# Allegro board 1156197-TDI_VU3P_QSFP28_CXP_V001_1023A-166-20241121_1644_PCB.brd (continued)
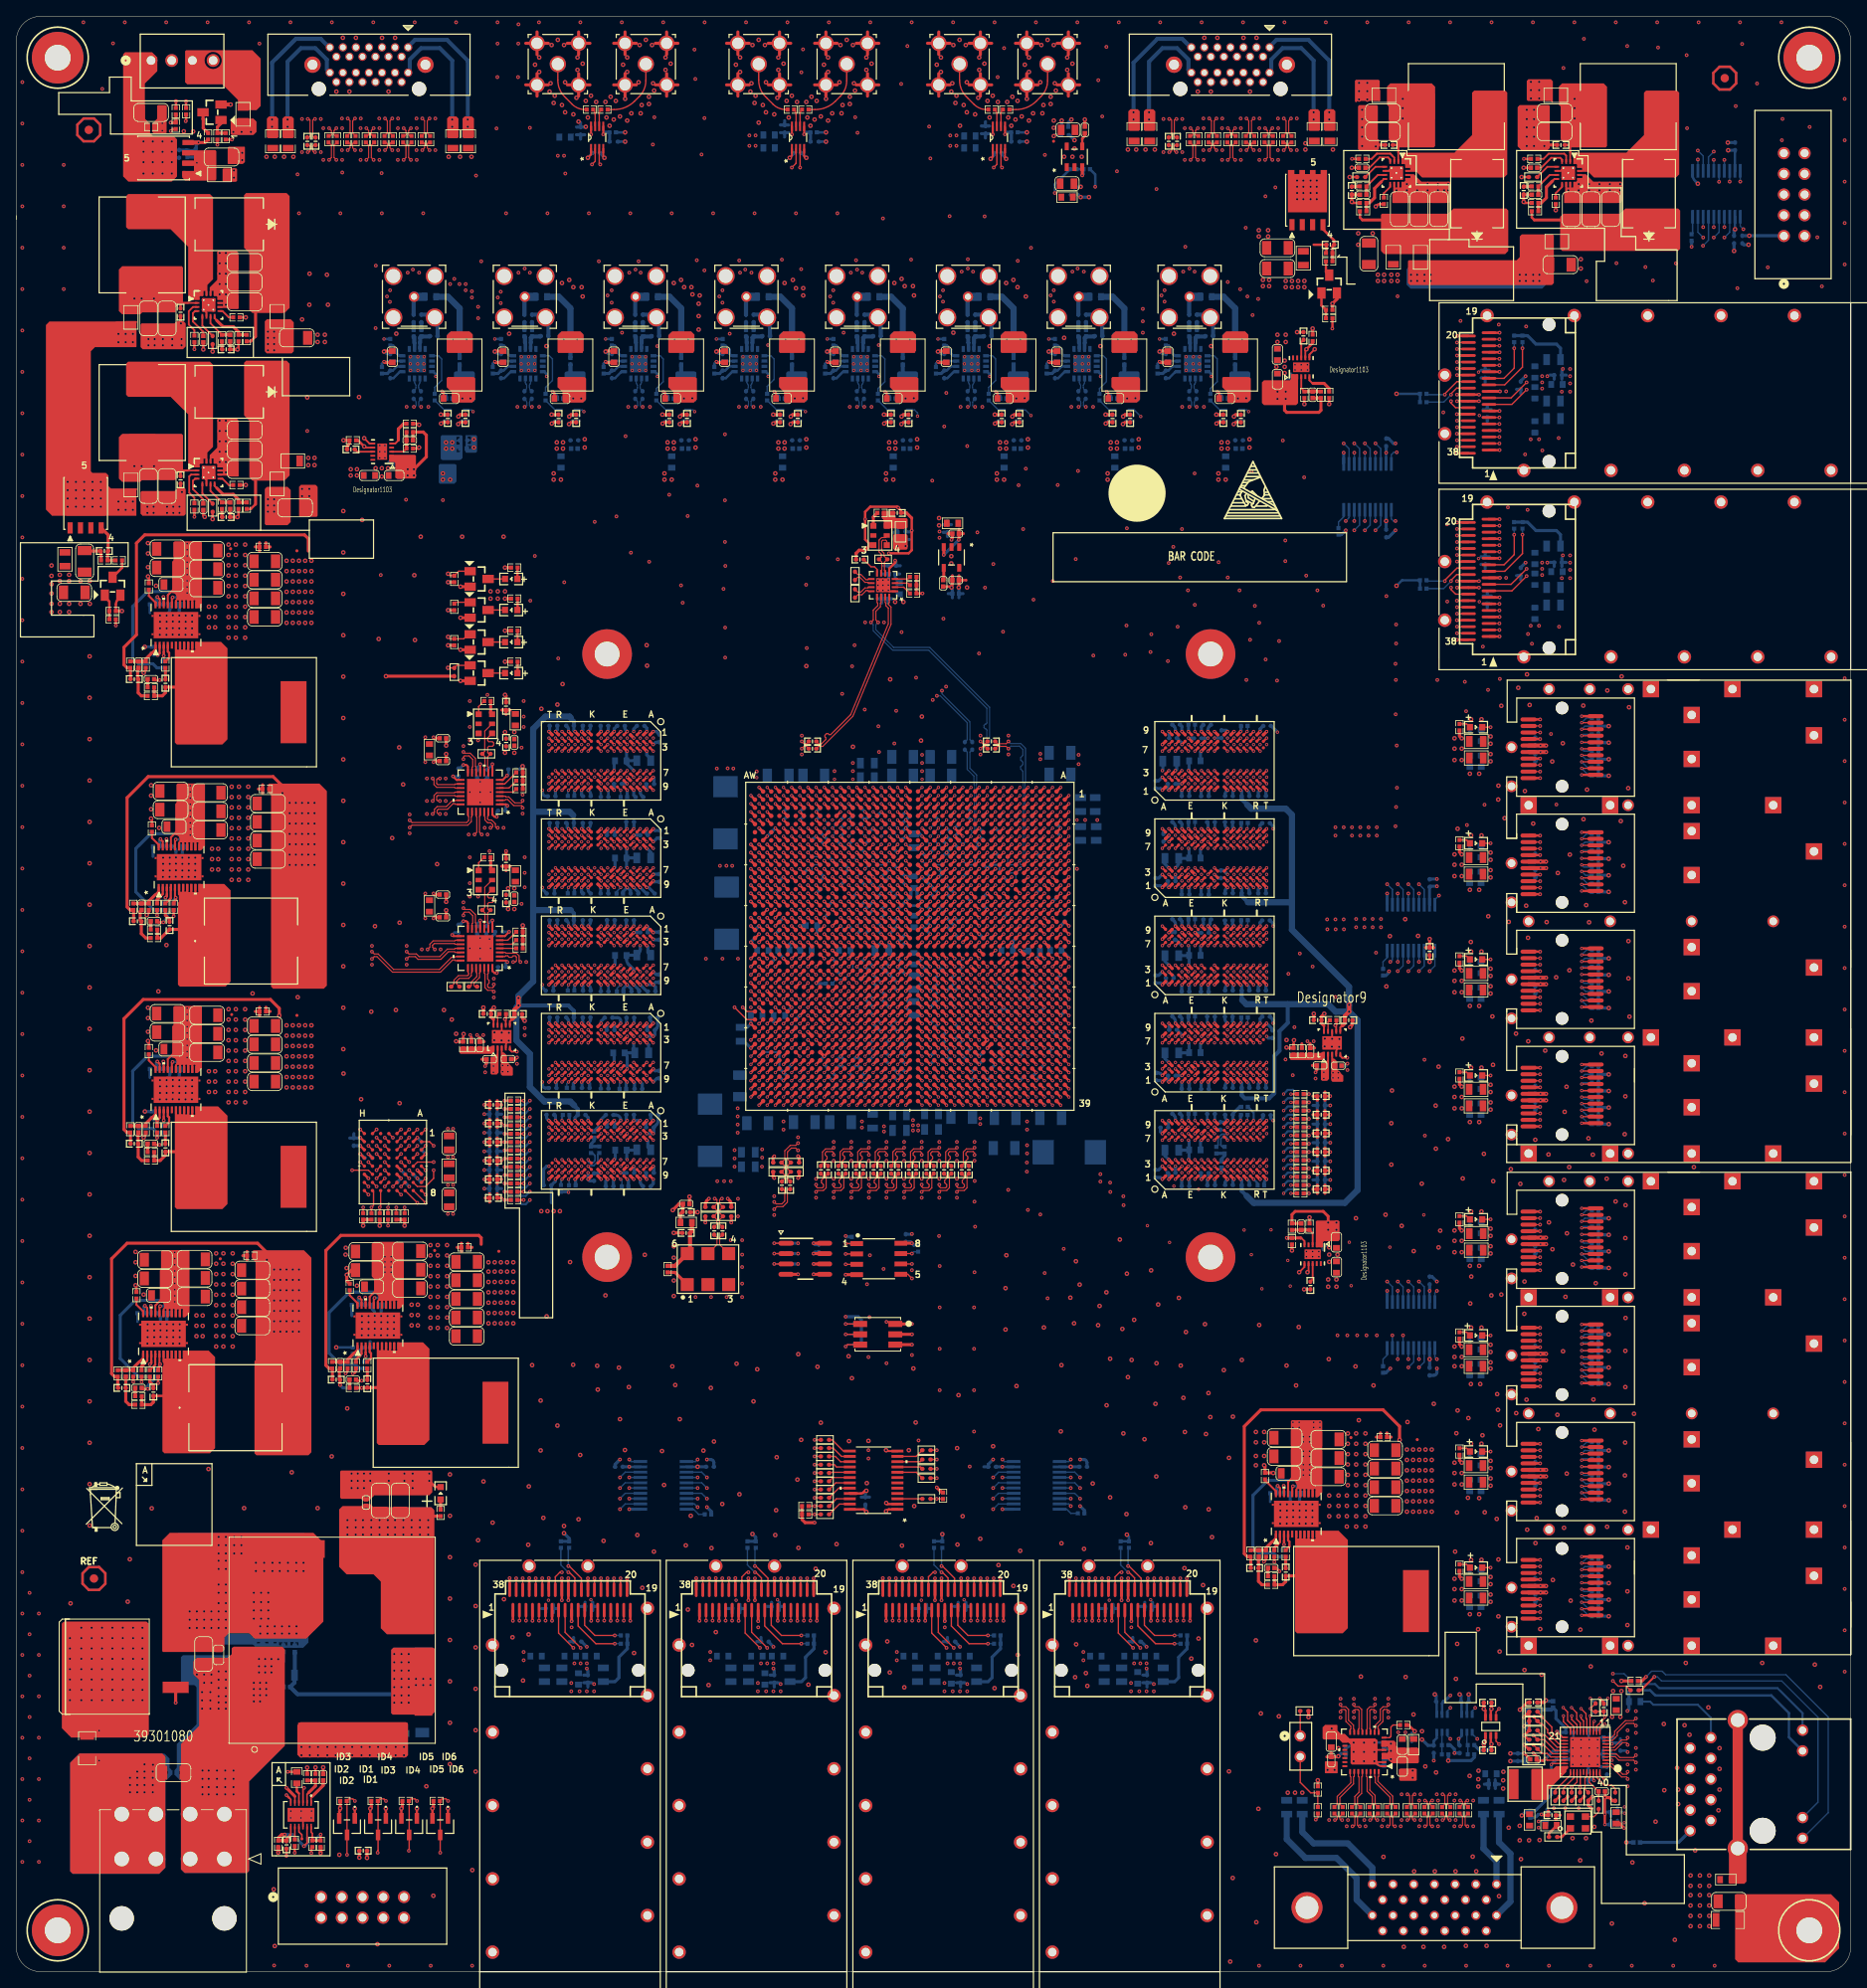
[diagram p0: board, top side]
## Routing (per net, layer and track width the routed paths; a pad name or vN(x,y) marks a point on that pad's centre or on a via; arc(x,y) is an arc through that point)
1V8_ROVP: length 3.1
  TOP w0.254: U45.5 17.56,74.64 v1(17.65,74.55) 17.53,74.42 17.53,74.17 17.4,74.04 R368.1
  BOTTOM w0.305: R366.2 17.06,73.83 17.53,74.3 17.53,74.42 v1(17.65,74.55)
AVDD10: length 9.1
  TOP w0.191: v3(195.72,27.96) U40.8 ; v3(193.52,23.44) 193.43,23.53 U40.38 ; v3(195.72,25.95) U40.3
  BOTTOM w0.305: C646.1 195.57,26.1 v3(195.72,25.95)
  BOTTOM w0.381: 195.57,27.21 C646.1 196.1,26.7 ; v3(193.52,23.44) 193.4,23.56 C645.1 192.81,23.03 ; v3(195.72,27.96) 195.82,28.06 C644.1 196.75,28.59 ; 195.5,28.2 C643.1 ; C643.1 196.03,28.73 ; C643.1 195.5,29.27
  vias: v2(195.73,31.27) v2(196.75,31.27)
AVDD33: length 5.6
  TOP w0.191: v3(194.84,30.38) 194.72,30.38 194.23,29.9 U40.11 ; v3(194.82,23.62) 194.72,23.62 194.23,24.11 U40.40
  BOTTOM w0.381: v3(194.84,30.38) 194.21,29.75 C642.1 ; v3(194.82,23.62) 195.1,23.9 C641.1 ; 196.39,20.12 C640.1 196.92,19.59
  vias: v3(197.26,20.22) v3(197.26,19.46)
DVDD10: length 7.9
  TOP w0.191: U40.21 189.68,28.76 v1(188.98,29.46)
  BOTTOM w0.381: v1(188.98,29.46) 189.1,29.46 189.2,29.37 C650.1 190.06,29.86 188.85,31.07 188.85,32.04 C649.1
  BOTTOM w0.495: C649.1 188.26,32.16 L72.2
DVDD33: length 11
  TOP w0.191: v3(188.28,25.43) 188.4,25.55 U40.29
  BOTTOM w0.381: C648.1 v3(188.28,25.43) 188.28,21.72 186.29,19.74 C647.1 185.22,19.74 v2(184.66,19.18)
DVDDRGMII: length 8.6
  TOP w0.191: v3(187.58,26.16) 187.58,26.14 187.77,25.95 188.49,25.95 U40.28
  TOP w0.305: v3(187.58,26.16) 187.32,25.91 186.64,25.91 C629.1 186.48,26.43 v1(186.08,26.83)
  BOTTOM w0.381: C630.1 188.5,27.08 v3(187.58,26.16) 187.32,25.91 186.69,25.91 L64.2 186.66,26.25 v1(186.08,26.83)
GND: length 2044.5
  TOP w0.229: U57.20 23.32,203.64 U57.6 ; v2(96.9,222.63) 96.86,222.63 arc(96.7,222.7) 96.63,222.86 U64.4 ; v2(60.4,114.27) 60.2,114.08 arc(60.08,113.89) 60.04,113.68 U12.4 ; v2(162.26,113.51) 162.06,113.31 arc(161.94,113.13) 161.89,112.92 U18.4 ; U12.8 v2(59.54,115.27) ; U67.1 167.44,25.22 arc(167.2,25.27) 166.99,25.41 166.68,25.73 ; U65.4 72,222.77 v2(72.14,222.63) ; v2(121.41,222.5) 121.27,222.64 U66.4 ; 166.68,25.73 v2(166.57,25.83) ; 166.68,25.73 U67.2 ; U56.6 23.32,183.07 U56.20 ; U59.6 189.42,221.03 U59.20 ; U58.6 168.34,221.03 U58.20 ; U67.5 166.82,27.22 v2(166.57,26.97) ; U18.8 v2(161.39,114.5)
  TOP w0.254: U61.1 60.06,124.1 v1(60.23,123.93) ; U62.1 60.06,143.28 v1(60.23,143.11) ; v2(106.68,64.01) 106.79,63.9 108.08,63.9 ; U62.14 55.4,147.86 arc(55.32,148.04) 55.14,148.12 v1(54.84,148.12) ; U61.14 55.4,128.69 arc(55.32,128.87) 55.14,128.94 v1(54.84,128.94) ; U1.AH18 102.1,128.36 v1(102.1,128.36) ; U60.1 107.09,169.43 v3(106.96,169.56)
  TOP w0.305: U1.AW2 v3(90.1,144.36) ; U1.K39 v3(120.1,106.36) ; U1.U15 v1(113.1,131.36) ; C319.2 v1(57.41,101.83) ; U1.W13 v1(111.1,133.36) ; J13.13 116.28,43.07 v1(116.28,43.07) ; U1.AE11 v1(105.1,134.36) U1.AD12 ; U1.B39 v3(128.1,106.36) ; U1.AG21 v1(102.1,124.36) ; U1.Y4 v3(109.1,142.36) ; v1(154.94,49.15) 154.53,49.56 C707.1 ; U8.E8 v3(74.93,134.68) ; R443.2 v2(24.08,178.28) ; U1.AW3 v3(90.1,143.36) ; D4.1 v2(41.52,20.03) ; P2.D20 v1(186.91,146.5) ; U1.D2 v3(126.1,144.36) ; J11.13 93.4,43.07 v1(93.4,43.07) ; C826.1 v2(22.94,199.11) ; U1.AB16 v1(107.1,130.36) ; U1.AE25 v1(104.1,120.36) ; U1.W5 v3(111.1,141.36) ; v1(181.93,178.28) 181.93,178.28 J7.19 ; R421.2 v2(157.99,192.41) ; R396.1 15.88,159.81 arc(15.85,159.68) 15.77,159.56 v2(15.62,159.41) ; U1.T12 v1(114.1,134.36) ; U1.D37 v3(126.1,108.36) ; v1(106.68,43.07) 106.68,43.07 J13.1 ; U1.AD6 v3(105.1,140.36) ; U1.K38 v3(120.1,107.36) ; R359.1 14.73,84.15 v2(14.63,84.25) ; U1.T18 v1(114.1,128.36) ; P2.B1 v3(192,118.4) ; U1.P6 v3(116.1,139.36) ; U1.P6 v3(115.1,140.36) ; U1.P6 v3(116.1,140.36) ; R465.1 185.01,217.09 v2(184.89,217.22) ; U1.T14 v1(114.1,132.36) ; U1.C8 v1(127.1,138.36) ; U1.AG37 v3(102.1,108.36) ; P1.A17 v1(186.91,45.74) ; U1.AD38 v3(105.1,107.36) ; C827.2 26.24,199.15 C828.2 ; U1.V20 v1(112.1,126.36) ; U1.F2 v3(124.1,144.36) ; U1.G33 v3(123.1,112.36) ; U1.M18 118.1,127.36 v1(118.1,127.36) ; P1.B10 v3(192,65.19) ; U1.AP1 v3(95.1,145.36) ; J5.26 176.71,195.97 v1(176.71,195.96) ; U1.R29 v1(115.1,116.36) ; U1.AR17 v1(94.1,129.36) ; U1.P34 v3(116.1,111.36) ; C631.2 194.72,33.05 v3(194.21,33.56) ; P2.A20 v1(186.91,103.75) ; U1.AL3 v3(98.1,143.36) ; U1.AK37 v3(99.1,108.36) ; U1.AC21 v1(106.1,124.36) ; U1.N32 v1(117.1,113.36) ; U1.Y12 v1(109.1,134.36) ; C839.2 163.84,218.11 C838.2 ; v2(16.15,114.23) 16.26,114.12 R349.1 ; U1.Y24 v1(109.1,121.36) ; U1.AF38 v3(103.1,107.36) ; U1.N15 v1(117.1,131.36) ; U1.AD16 v1(105.1,130.36) ; U1.A3 v3(129.1,143.36) ; U1.AF37 v3(103.1,108.36) ; U1.M32 v1(118.1,113.36) ; U1.AT8 v1(93.1,138.36) ; U1.A8 v1(129.1,138.36) ; P1.B17 v1(186.91,59.99) ; J15.35 v1(131.57,48.3) ; U1.D39 v3(126.1,106.36) ; U1.N36 v3(117.1,109.36) ; U1.AD3 v3(105.1,143.36) ; J15.13 139.17,43.07 v1(139.17,43.07) ; U1.T30 v1(114.1,115.36) ; U1.G23 122.1,122.36 v1(122.1,122.36) ; U1.V16 v1(112.1,130.36) ; R444.1 27.25,178.66 v2(27.13,178.54) ; U15.B2 v3(141.36,110.8) ; U8.E9 v3(74.93,133.08) ; U8.E1 v3(74.93,140.28) ; U1.V22 v1(112.1,123.36) ; U1.T38 v3(114.1,107.36) ; U14.F1 v3(144.57,133.08) ; v2(106.68,56.52) 106.82,56.65 arc(106.93,56.73) 107.05,56.75 108.08,56.75 ; U1.C15 v1(127.1,131.36) ; P2.D10 v3(192,154.1) ; J9.13 70.51,43.07 v1(70.51,43.07) ; U1.AR33 v3(94.1,112.36) ; U1.C35 v3(127.1,110.36) ; U1.K7 v3(120.1,139.36) ; J15.32 v1(133.97,48.3) ; v1(176.71,175.48) 176.71,175.48 J7.23 ; U1.V39 v3(112.1,106.36) ; U1.AP10 v1(95.1,136.36) ; U1.U13 v1(113.1,133.36) ; U15.D8 v3(142.97,114.8) ; U1.N25 v1(117.1,120.36) ; U1.AB38 v3(107.1,107.36) ; R422.1 v2(159,201.68) ; U1.AV32 v1(91.1,113.36) ; J13.23 118.28,48.28 v1(118.28,48.29) ; J11.23 95.4,48.28 v1(95.4,48.29) ; U1.AT39 v3(93.1,106.36) ; R416.2 v2(158.62,92.58) ; U1.A5 v3(129.1,141.36) ; U1.Y39 v3(109.1,106.36) ; v1(95.1,118.36) 95.1,118.36 U1.AR27 ; J11.38 v1(83.4,48.3) ; J15.20 143.57,48.28 v1(143.57,48.29) ; U1.AF34 v3(103.1,111.36) ; v1(18.03,128.8) 17.42,128.8 C722.1 ; J13.7 v1(111.48,43.07) ; D2.1 v2(49.14,20.03) ; U1.AJ36 v3(100.1,109.36) ; U1.R4 v3(115.1,142.36) ; U1.T6 v3(114.1,140.36) ; U1.AA35 v3(108.1,110.36) ; U1.AA11 v1(108.1,135.36) U1.AA10 ; U1.AG32 v1(102.1,113.36) ; v1(83.8,43.07) J11.1 ; v3(194.84,18.06) v3(194.84,19.33) v3(194.84,21.37) 194.86,21.39 C635.2 ; U1.AE36 v3(104.1,109.36) ; v3(147.32,193.93) 147.53,193.72 C602.1 ; U13.A2 v3(140.56,122.74) ; U1.AB2 v3(107.1,144.36) ; U1.AN36 v3(96.1,109.36) ; U1.W27 v1(111.1,118.36) ; P1.D17 v1(186.91,88.49) ; U1.AT38 v3(93.1,107.36) ; C320.2 v1(57.41,99.54) ; U1.G6 v3(123.1,140.36) ; v2(180.94,27.94) 180.85,28.03 U41.2 ; v2(106.71,57.53) 106.84,57.4 108.08,57.4 ; R595.1 12.21,167.81 arc(12.28,168.14) 12.47,168.42 12.76,168.72 Q9.2 ; C412.2 v1(161.16,107.47) ; J11.19 98.2,43.07 v1(98.19,43.07) ; U1.T22 v1(114.1,123.36) ; U1.AJ4 v3(101.1,142.36) ; U1.AA8 v1(108.1,137.36) ; D1.1 v2(52.95,20.03) ; U1.W17 v1(111.1,129.36) ; U1.G36 v3(123.1,109.36) ; U1.AV35 v3(91.1,110.36) ; U1.E7 v3(125.1,139.36) ; U1.A21 v1(129.1,124.36) ; U15.E8 v3(143.77,115.6) ; U1.T37 v3(114.1,108.36) ; U1.AH34 v3(101.1,111.36) ; U1.T2 v3(114.1,144.36) ; U1.AE27 v1(104.1,118.36) ; U1.AU32 v1(92.1,113.36) ; P2.A14 v1(186.91,108.55) ; U16.E1 v3(143.77,145.01) ; U7.E9 v3(74.93,121.14) ; v1(181.93,166.28) J7.4 ; U1.W29 v1(111.1,116.36) ; U1.Y3 v3(109.1,143.36) ; 103.05,58.7 103.58,58.7 arc(103.77,58.74) 103.93,58.84 104.11,59.03 v2(104.27,59.03) ; U1.AA29 v1(108.1,116.36) ; U1.AA25 v1(108.1,120.36) ; U1.AE17 v1(104.1,129.36) ; U1.H3 v3(122.1,143.36) ; v2(16.54,141.53) 16.64,141.43 R386.1 ; U1.AT37 v3(93.1,108.36) ; v3(133.73,193.93) 133.94,193.72 C603.1 ; v1(176.69,188.76) 176.7,188.76 J5.35 ; U1.L37 v3(119.1,108.36) ; C815.1 22.94,178.74 v2(23.11,178.56) ; U1.AW15 v1(90.1,131.36) ; U1.AG36 v3(102.1,109.36) ; U1.J3 v3(121.1,143.36) ; v1(91.1,118.36) 91.1,118.36 U1.AV28 ; U13.E9 v3(143.77,128.34) ; R470.1 R469.1 R468.1 v1(111.15,169.16) ; U1.AA5 v3(108.1,141.36) ; U1.T34 v3(114.1,111.36) ; P1.B20 v1(186.91,57.59) ; v1(141.17,48.29) 141.17,48.28 J15.23 ; U1.L3 v3(119.1,143.36) ; v1(70.11,48.29) 70.11,48.28 J9.26 ; U1.T26 v1(114.1,119.36) ; U1.M34 v3(118.1,111.36) ; U41.5 180.85,32.17 v2(180.94,32.26) ; U1.B2 v3(128.1,144.36) ; U1.M38 v3(118.1,107.36) ; U1.AH8 v1(101.1,138.36) ; U1.AD24 v1(105.1,121.36) ; U1.AC32 v1(106.1,113.36) ; U1.A2 v3(129.1,144.36) ; U1.R13 v1(115.1,133.36) ; C316.2 v1(57.41,104.11) ; U1.AC17 v1(106.1,129.36) ; U1.AU36 v3(92.1,109.36) ; U1.AN13 v1(96.1,133.36) ; U1.M2 v3(118.1,144.36) ; U1.B38 v3(128.1,107.36) ; U7.F1 v3(74.13,128.34) ; U1.AH39 v3(101.1,106.36) ; U1.AB32 v1(107.1,113.36) ; J11.32 v1(88.2,48.3) ; U1.AE3 v3(104.1,143.36) ; U1.H2 v3(122.1,144.36) ; v1(75.31,43.07) 75.31,43.07 J9.19 ; U1.AK12 v1(99.1,134.36) ; R456.1 167.21,216.95 arc(167.05,216.91) 166.91,216.83 v2(166.75,216.66) ; U1.Y26 v1(109.1,119.36) ; U1.AB18 v1(107.1,128.36) ; U1.M39 v3(118.1,106.36) ; R588.1 v1(24.66,224.23) ; R357.1 v1(14.35,72.39) ; U1.K14 119.1,132.36 v1(119.1,132.36) ; U1.T24 v1(114.1,121.36) ; C851.2 108.52,179.34 v1(108.18,179.68) 108.05,179.81 104.75,179.81 104.11,179.17 v1(104.11,178.28) 104.11,175.79 104.81,175.1 ; U1.E19 v1(125.1,127.36) ; v1(42.37,72.54) 41.8,72.54 C661.1 ; U1.R32 v1(115.1,113.36) ; U1.P32 v1(116.1,113.36) ; U1.AB20 v1(107.1,126.36) ; U1.AB1 v3(107.1,145.36) ; v1(109.08,43.07) J13.4 ; J13.35 v1(108.68,48.3) ; U1.AW37 v3(90.1,108.36) ; R398.1 16.26,171.15 v2(16.15,171.25) ; U13.E1 v3(143.77,121.14) ; U1.A35 v3(129.1,110.36) ; v1(138.77,48.29) 138.77,48.28 J15.26 ; C760.2 v2(157.1,201.23) ; U1.D32 v1(126.1,113.36) ; P1.D14 v1(186.91,90.89) ; J11.7 v1(88.6,43.07) ; R331.2 v1(191.29,21.49) ; U1.AU3 v3(92.1,143.36) ; P1.C20 186.9,71.84 v1(186.91,71.84) ; U1.C32 v1(127.1,113.36) ; U1.AH2 v3(101.1,144.36) ; U1.AE15 v1(104.1,131.36) ; v1(176.69,165.88) 176.7,165.88 J7.35 ; U1.U19 v1(113.1,127.36) ; C555.1 79.58,193.72 v3(79.38,193.93) ; U1.AT1 v3(93.1,145.36) ; U1.W19 v1(111.1,127.36) ; P2.B20 v1(186.91,118) ; U17.B2 v3(141.36,98.86) ; v1(41.27,73.43) 41.35,73.43 arc(41.57,73.52) 41.66,73.74 R346.1 ; J9.23 72.51,48.28 v1(72.51,48.29) ; R369.1 153.29,50.72 arc(153.26,50.58) 153.18,50.47 v1(153.03,50.32) ; U1.AP30 v1(95.1,115.36) ; J15.19 143.97,43.07 v1(143.96,43.07) ; J5.1 181.93,186.77 v1(181.93,186.76) ; U1.AM2 v3(97.1,144.36) ; J13.20 120.68,48.28 v1(120.68,48.29) ; P2.A10 v3(192,111.35) ; U1.AE23 v1(104.1,122.36) U1.AF24 ; U1.L8 v1(119.1,138.36) ; U1.T28 v1(114.1,117.36) ; U1.C3 v3(127.1,143.36) ; U1.AR36 v3(94.1,109.36) ; v1(184.95,27.86) 185.47,27.34 R325.2 ; U1.AD1 v3(105.1,145.36) ; U1.AT3 v3(93.1,143.36) ; U1.V14 v1(112.1,132.36) ; U1.AG4 v3(102.1,142.36) ; v1(181.93,175.88) J7.16 ; P2.C11 v1(186.91,139.45) ; U1.H39 v3(122.1,106.36) ; U1.AB14 v1(107.1,132.36) ; v1(181.93,196.36) 181.93,196.37 J5.13 ; C816.2 26.24,178.57 C817.2 ; U1.J7 v3(121.1,139.36) ; U1.AC36 v3(106.1,109.36) ; U1.Y16 v1(109.1,130.36) ; U13.B2 v3(141.36,122.74) ; U1.U27 v1(113.1,118.36) ; v1(176.71,177.88) 176.71,177.88 J7.20 ; U1.V3 v3(112.1,143.36) ; v1(176.71,173.08) 176.71,173.08 J7.26 ; U1.U32 v1(113.1,113.36) ; v1(40.39,73.43) 40.53,73.58 arc(40.61,73.7) 40.64,73.83 R335.1 ; U11.E1 v3(74.93,116.4) ; C403.2 v1(161.16,96.04) ; P2.A1 v3(192,104.15) ; U11.B2 v3(77.33,114.8) ; U1.AB6 v3(107.1,140.36) ; U1.H1 v3(122.1,145.36) ; C530.1 65.99,193.72 v3(65.79,193.93) ; U1.AM3 v3(97.1,143.36) ; J5.23 176.71,198.37 v1(176.71,198.36) ; U17.E1 v3(143.77,97.26) ; U1.AD2 v3(105.1,144.36) ; U11.E8 v3(74.93,110.8) ; R458.1 163.93,217.09 v2(163.8,217.22) ; U1.Y14 v1(109.1,132.36) ; v1(93.1,124.36) 93.1,124.36 U1.AU21 ; v1(141.57,43.07) J15.16 ; U1.AM6 v3(97.1,140.36) ; v2(49.4,187.07) 49.28,186.94 R415.2 ; R347.1 15.88,102.79 arc(15.85,102.65) 15.77,102.54 v2(15.62,102.39) ; U1.P22 v1(116.1,123.36) ; U1.R11 v1(115.1,135.36) ; DS13.2 51.7,59.48 arc(51.43,59.54) 51.21,59.69 v2(50.65,60.25) ; U1.AA13 v1(108.1,133.36) ; J11.20 97.8,48.28 v1(97.8,48.29) ; U1.V37 v3(112.1,108.36) ; U1.AD32 v1(105.1,113.36) ; U1.B18 v1(128.1,128.36) ; U1.AW38 v3(90.1,107.36) ; U1.AG3 v3(102.1,143.36) ; U1.U23 v1(113.1,122.36) ; U1.AF14 v1(103.1,132.36) ; P1.C14 v1(186.91,76.64) ; R464.2 v2(184.63,220.27) ; U1.T1 v3(114.1,145.36) ; U1.A11 v1(129.1,135.36) ; R457.2 v2(163.55,220.27) ; U1.AM37 v3(97.1,108.36) ; U1.F34 v3(124.1,111.36) ; U1.J34 v3(121.1,111.36) ; v1(176.71,200.76) 176.71,200.77 J5.20 ; U1.C36 v3(127.1,109.36) ; U1.AL4 v3(98.1,142.36) ; U1.AE37 v3(104.1,108.36) ; v1(181.93,163.88) J7.1 ; v1(17.59,158.52) 17.04,158.52 C737.1 ; U9.A2 v3(78.13,102.86) ; P2.C14 v1(186.91,137.05) ; U1.AE31 v1(104.1,114.36) ; v2(27.13,199.11) 27.25,199.24 R451.1 ; P1.B1 v3(192,57.99) ; U8.A2 v3(78.13,138.68) ; U1.K37 v3(120.1,108.36) ; U1.AP37 v3(95.1,108.36) ; U1.AB12 v1(107.1,134.36) ; P2.C1 v3(192,132.65) ; U1.AM1 v3(97.1,145.36) ; U1.AT32 v1(93.1,113.36) ; v1(86.2,43.07) J11.4 ; U1.AC15 v1(106.1,131.36) ; v1(107.04,174.09) 109.45,174.09 109.83,174.47 v1(109.83,176.89) 109.83,178.42 ; U1.J4 v3(121.1,142.36) ; U1.R37 v3(115.1,108.36) ; U1.A36 v3(129.1,109.36) ; U1.H38 v3(122.1,107.36) ; v1(186.91,74.24) 186.9,74.24 P1.C17 ; P1.C1 v3(192,72.24) ; U1.AA15 v1(108.1,131.36) ; U1.R25 v1(115.1,120.36) ; U1.AL34 v3(98.1,111.36) ; U1.AA27 v1(108.1,118.36) ; U1.R27 v1(115.1,118.36) ; U1.M37 v3(118.1,108.36) ; U1.AK38 v3(99.1,107.36) ; U1.AH3 v3(101.1,143.36) ; U1.G3 v3(123.1,143.36) ; U16.A2 v3(140.56,146.62) ; U1.U25 v1(113.1,120.36) ; U14.E9 v3(143.77,140.28) ; P2.B14 v1(186.91,122.8) ; U1.AM16 v1(97.1,130.36) ; J7.13 181.93,173.48 v1(181.93,173.48) ; U1.AD28 v1(105.1,117.36) ; U15.E1 v3(143.77,109.2) ; U1.AE21 v1(104.1,124.36) ; U1.U37 v3(113.1,108.36) ; U1.W25 v1(111.1,120.36) ; U1.T39 v3(114.1,106.36) ; U1.V34 v3(112.1,111.36) ; v1(176.69,168.28) 176.7,168.28 J7.32 ; v1(121.08,43.07) 121.08,43.07 J13.19 ; U1.R19 v1(115.1,127.36) ; U1.AK2 v3(99.1,144.36) ; U16.E8 v3(143.77,151.42) ; U1.C4 v3(127.1,142.36) ; v1(186.91,134.65) 186.9,134.65 P2.C17 ; U1.AR34 v3(94.1,111.36) ; U1.AK1 v3(99.1,145.36) ; U1.AP20 v1(95.1,126.36) ; U1.C5 v3(127.1,141.36) ; U1.AE13 v1(104.1,133.36) ; U10.E8 v3(74.93,145.82) ; U1.AD20 v1(105.1,126.36) ; v1(131.97,43.07) J15.4 ; U1.B35 v3(128.1,110.36) ; U1.P12 v1(116.1,134.36) ; U1.AN34 v3(96.1,111.36) ; J9.20 74.91,48.28 v1(74.91,48.29) ; U1.AR7 v3(94.1,139.36) ; U1.D8 v1(126.1,138.36) ; D3.1 v2(45.33,20.03) ; v3(106.55,193.93) 106.76,193.72 C579.1 ; U1.AC37 v3(106.1,108.36) ; U16.E9 v3(143.77,152.22) ; U1.AB39 v3(107.1,106.36) ; C411.2 v1(161.16,100.61) ; U1.AP38 v3(95.1,107.36) ; J11.26 93,48.28 v1(93,48.29) ; U1.AA32 v1(108.1,113.36) ; P2.A17 v1(186.91,106.15) ; U1.W32 v1(111.1,113.36) ; U1.D7 v3(126.1,139.36) ; v3(52.22,193.98) 52.4,193.79 C531.1 ; U1.AC27 v1(106.1,118.36) ; U1.B1 v3(128.1,145.36) ; U1.AB22 v1(107.1,123.36) ; U1.K3 v3(120.1,143.36) ; U1.AV18 v1(91.1,128.36) ; C848.1 v2(184.89,221.41) ; U1.G37 v3(123.1,108.36) ; U1.B5 v3(128.1,141.36) ; U1.AU37 v3(92.1,108.36) ; U1.AH28 v1(101.1,117.36) ; U1.V32 v1(112.1,113.36) ; U1.U4 v3(113.1,142.36) ; U1.W11 v1(111.1,135.36) ; U1.Y6 v3(109.1,140.36) ; U1.AB37 v3(107.1,108.36) ; U1.AB26 v1(107.1,119.36) ; U1.AR37 v3(94.1,108.36) ; U1.T8 v1(114.1,138.36) ; U1.D33 v3(126.1,112.36) ; U1.A31 v1(129.1,114.36) ; U1.E3 v3(125.1,143.36) ; U1.AA19 v1(108.1,127.36) ; U1.AC3 v3(106.1,143.36) ; C310.2 v1(57.41,106.4) ; U1.AN3 v3(96.1,143.36) ; U1.T32 v1(114.1,113.36) ; U1.Y32 v1(109.1,113.36) ; U1.AD37 v3(105.1,108.36) ; U1.AW4 v3(90.1,142.36) ; U1.L36 v3(119.1,109.36) ; v1(16.13,71.53) 15.51,71.53 C692.1 ; U1.M28 v1(118.1,117.36) ; U1.V26 v1(112.1,119.36) ; v1(129.57,43.07) J15.1 ; U15.E9 v3(143.77,116.4) ; U10.E9 v3(74.93,145.01) ; U1.P2 v3(116.1,144.36) ; U7.A2 v3(78.13,126.74) ; U1.AB34 v3(107.1,111.36) ; U1.AV5 v3(91.1,141.36) ; v1(115.88,48.29) 115.88,48.28 J13.26 ; U8.B2 v3(77.33,138.68) ; U1.AV2 v3(91.1,144.36) ; P2.C10 v3(192,139.85) ; U1.V18 v1(112.1,128.36) ; U1.E9 v1(125.1,137.36) ; U1.AU31 v1(92.1,114.36) ; R450.2 v2(24.08,198.86) ; U17.E8 v3(144.57,103.66) ; J15.38 v1(129.17,48.3) ; U1.L21 v1(118.1,125.36) ; J5.32 176.7,191.16 v1(176.69,191.16) ; U3.H6 v1(43.19,97.37) ; U1.AF32 v1(103.1,113.36) ; U1.AP39 v3(95.1,106.36) ; U10.E1 v3(74.93,152.22) ; U1.U11 v1(112.1,134.36) U1.V12 ; U1.N4 v3(117.1,142.36) ; U1.B34 v3(128.1,111.36) ; U1.P37 v3(116.1,108.36) ; U1.AW25 90.1,121.36 v1(90.1,121.36) ; P2.D11 v1(186.91,153.7) ; U1.V38 v3(112.1,107.36) ; v1(95.8,43.07) J11.16 ; C578.1 120.35,193.72 v3(120.14,193.93) ; U1.M6 v3(118.1,140.36) ; P2.C20 186.9,132.25 v1(186.91,132.25) ; U1.E37 v3(125.1,108.36) ; U1.AM34 v3(97.1,111.36) ; U3.B2 v1(49.19,102.37) ; U1.AU35 v3(92.1,110.36) ; U1.AJ15 v1(100.1,131.36) ; U1.AA3 v3(108.1,143.36) ; U1.Y18 v1(109.1,128.36) ; U17.E9 v3(143.77,104.46) ; U10.B2 v3(77.33,150.62) ; U1.T20 v1(114.1,126.36) ; P2.B10 v3(192,125.6) ; P1.D20 v1(186.91,86.09) ; U1.AN4 v3(96.1,142.36) ; U1.C37 v3(127.1,108.36) ; U1.W35 v3(111.1,110.36) ; U1.W8 v1(111.1,138.36) ; v2(114.71,169.9) 114.6,170.01 C765.1 ; R442.1 v2(28.14,182.47) ; U1.AW36 v3(90.1,109.36) ; U1.AH38 v3(101.1,107.36) ; J9.16 72.91,43.07 v1(72.91,43.07) ; U1.N37 v3(117.1,108.36) ; U1.AT24 v1(93.1,121.36) ; U1.H10 v1(122.1,136.36) ; P2.B17 v1(186.91,120.4) ; v1(123.1,132.36) 123.1,132.36 U1.G13 ; P1.A20 v1(186.91,43.34) ; U15.F1 v3(144.57,109.2) ; U1.AV8 v1(91.1,138.36) ; v1(118.68,43.07) J13.16 ; U1.H37 v3(122.1,108.36) ; U1.U36 v3(113.1,109.36) ; U8.F1 v3(74.13,140.28) ; U1.R31 v1(115.1,114.36) ; U1.AA23 v1(108.1,122.36) ; C677.1 17.04,101.5 v1(17.58,101.5) ; C554.1 93.17,193.72 v3(92.96,193.93) ; U1.AT7 v3(93.1,139.36) ; U1.E34 v3(125.1,111.36) ; U1.L4 v3(119.1,142.36) ; U1.AE29 v1(104.1,116.36) ; U1.A4 v3(129.1,142.36) ; U1.Y36 v3(109.1,109.36) ; U3.H2 v1(42.19,102.37) ; U1.D12 v1(126.1,134.36) ; U1.N3 v3(117.1,143.36) ; P2.B11 v1(186.91,125.2) ; J9.38 v1(60.51,48.3) ; U1.AJ3 v3(100.1,143.36) ; J5.7 v1(181.93,191.57) ; U1.AH6 v3(101.1,140.36) ; U16.B2 v3(141.36,146.62) ; U1.AA37 v3(108.1,108.36) ; U1.P38 v3(116.1,107.36) ; v1(184.94,26.83) 185.68,26.09 C629.2 ; U1.AU8 v1(92.1,138.36) ; U1.E33 v3(125.1,112.36) ; P1.B14 v1(186.91,62.39) ; U1.AT33 v3(93.1,112.36) ; U1.AL36 v3(98.1,109.36) ; U11.A2 v3(78.13,114.8) ; P1.A10 v3(192,50.94) ; U14.H1 146.17,133.08 v3(146.17,133.08) ; U1.W3 v3(111.1,143.36) ; U1.AK39 v3(99.1,106.36) ; U1.AM38 v3(97.1,107.36) ; U1.AH1 v3(101.1,145.36) ; U1.AB28 v1(107.1,117.36) ; P1.A11 v1(186.91,50.54) ; U1.AB15 v1(107.1,131.36) ; U1.AE32 v1(104.1,113.36) ; U1.AA17 v1(108.1,129.36) ; U1.J27 v1(121.1,118.36) ; R463.1 v2(188.82,216.2) ; U1.F37 v3(124.1,108.36) ; U15.A2 v3(140.56,110) ; U1.R15 v1(115.1,131.36) ; U1.M1 v3(118.1,145.36) ; P2.D14 v1(186.91,151.3) ; U1.G34 v3(123.1,111.36) ; U10.F1 v3(74.13,152.22) ; U1.V28 v1(112.1,117.36) ; U1.AF39 v3(103.1,106.36) ; U1.AN23 v1(96.1,122.36) ; U14.E1 v3(143.77,133.08) ; U1.AB24 v1(107.1,121.36) ; J5.38 v1(176.69,186.36) ; C413.2 v1(161.16,102.9) ; U1.AP3 v3(95.1,143.36) ; U1.C25 v1(127.1,120.36) ; U13.F1 v3(144.57,121.14) ; U1.K1 v3(120.1,145.36) ; U1.E4 v3(125.1,142.36) ; U1.J37 v3(121.1,108.36) ; U1.T3 v3(114.1,143.36) ; U1.AT2 v3(93.1,144.36) ; U9.B2 v3(77.33,102.86) ; U1.R8 v1(115.1,138.36) ; J5.16 v1(181.93,198.76) ; U1.AK32 v1(99.1,113.36) ; J9.32 v1(65.31,48.3) ; U1.B8 v1(128.1,138.36) ; U1.AC25 v1(106.1,120.36) ; U1.R21 v1(115.1,124.36) ; U1.P1 v3(116.1,145.36) ; U3.H4 v1(42.19,100.37) ; U1.Y28 v1(109.1,117.36) ; U1.R3 v3(115.1,143.36) ; U1.AP6 v3(95.1,140.36) ; U1.W23 v1(111.1,122.36) ; U1.AG8 v1(102.1,138.36) ; U1.AN37 v3(96.1,108.36) ; U1.AC13 v1(106.1,133.36) ; U1.K24 v1(120.1,121.36) ; U1.W37 v3(111.1,108.36) ; U1.U31 v1(113.1,114.36) ; U1.AL6 v3(98.1,140.36) ; U1.AR6 v3(94.1,140.36) ; U1.F6 v3(124.1,140.36) ; v1(134.37,43.07) 134.37,43.07 J15.7 ; U1.F39 v3(124.1,106.36) ; U1.M3 v3(118.1,143.36) ; J7.7 v1(181.93,168.68) ; U1.D38 v3(126.1,107.36) ; U14.B2 v3(141.36,134.68) ; U1.AP34 v3(95.1,111.36) ; P1.C10 v3(192,79.44) ; U1.AA31 v1(108.1,114.36) ; U1.AV1 v3(91.1,145.36) ; U11.E9 v3(74.93,109.2) ; U1.D3 v3(126.1,143.36) ; U1.AD39 v3(105.1,106.36) ; P2.A11 v1(186.91,110.95) ; U1.AW5 v3(90.1,141.36) ; U1.AN6 v3(96.1,140.36) ; U1.AD18 v1(105.1,128.36) ; U16.D8 v3(142.97,150.62) ; U17.F1 v3(144.57,97.26) ; U7.B2 v3(77.33,126.74) ; U1.W31 v1(111.1,114.36) ; U1.AL9 v1(98.1,137.36) ; C402.2 v1(161.16,105.18) ; U1.U17 v1(113.1,129.36) ; C837.1 v2(163.8,221.41) ; v2(16,129.69) 16.15,129.84 arc(16.23,129.96) 16.26,130.1 R384.1 ; U1.AP2 v3(95.1,144.36) ; P1.D1 v3(192,86.49) ; U1.B6 v3(128.1,140.36) ; P1.B11 v1(186.91,64.79) ; U1.AV39 v3(91.1,106.36) ; v1(181.93,201.16) 181.93,201.16 J5.19 ; U9.E1 v3(74.93,104.46) ; U1.AR4 v3(94.1,142.36) ; U1.AD14 v1(105.1,132.36) ; U1.AD30 v1(105.1,115.36) ; U9.D8 v3(75.73,98.86) ; U1.V30 v1(112.1,115.36) ; U1.AJ37 v3(100.1,108.36) ; U1.B28 v1(128.1,117.36) ; U13.E8 v3(143.77,127.54) ; U1.AU11 v1(92.1,135.36) ; U1.K8 v1(120.1,138.36) ; U17.A2 v3(140.56,98.86) ; U1.P39 v3(116.1,106.36) ; U1.AL37 v3(98.1,108.36) ; U1.A37 v3(129.1,108.36) ; U11.D8 v3(75.73,110) ; P1.D11 v1(186.91,93.29) ; U1.Y20 v1(109.1,126.36) ; U1.Y1 v3(109.1,145.36) ; J13.32 v1(111.08,48.3) ; C414.2 v1(161.16,98.32) ; U1.AF2 v3(103.1,144.36) ; U1.AH32 v1(101.1,113.36) ; U1.AC11 v1(106.1,135.36) ; U1.H30 v1(122.1,115.36) ; U1.AE4 v3(104.1,142.36) ; U1.AM39 v3(97.1,106.36) ; U1.AD22 v1(105.1,123.36) ; U1.A38 v3(129.1,107.36) ; J13.38 v1(106.28,48.3) ; U1.AW8 v1(90.1,138.36) ; U1.AW35 v3(90.1,110.36) ; U1.R23 v1(115.1,122.36) ; U1.A32 v1(129.1,113.36) ; U7.E1 v3(74.93,128.34) ; U1.F3 v3(124.1,143.36) ; U1.D1 v3(126.1,145.36) ; U1.AD26 v1(105.1,119.36) ; U1.AT14 v1(93.1,132.36) ; U1.Y38 v3(109.1,107.36) ; U1.AF1 v3(103.1,145.36) ; U1.V6 v3(111.1,140.36) ; U1.F38 v3(124.1,107.36) ; U1.U21 v1(113.1,124.36) ; R449.1 v2(28.14,203.05) ; v1(62.91,48.3) 62.91,48.3 J9.35 ; U1.AG11 v1(102.1,135.36) ; U1.F26 v1(124.1,119.36) ; U1.AJ25 v1(100.1,120.36) ; U1.AK8 v1(99.1,138.36) ; U1.AK3 v3(99.1,143.36) ; U1.J6 v3(121.1,140.36) ; U1.AC31 v1(106.1,114.36) ; U9.F1 v3(74.13,104.46) ; U1.AC19 v1(106.1,127.36) ; U1.R17 v1(115.1,129.36) ; U1.AB30 v1(107.1,115.36) ; U1.AV38 v3(91.1,107.36) ; P1.D10 v3(192,93.69) ; U1.J17 v1(121.1,129.36) ; J9.7 v1(65.71,43.07) ; U1.L11 v1(119.1,135.36) ; U1.P3 v3(116.1,143.36) ; U14.A2 v3(140.56,134.68) ; U1.E29 v1(125.1,116.36) ; U1.U3 v3(113.1,143.36) ; J7.38 v1(176.69,163.48) ; U1.J36 v3(121.1,109.36) ; J5.4 v1(181.93,189.17) ; J11.35 v1(85.8,48.3) ; U1.Y37 v3(109.1,108.36) ; U1.B32 v1(128.1,113.36) ; U1.AB3 v3(107.1,143.36) ; U1.K2 v3(120.1,144.36) ; U1.Y2 v3(109.1,144.36) ; U1.AJ32 v1(100.1,113.36) ; U16.F1 v3(144.57,145.01) ; U1.Y34 v3(109.1,111.36) ; P2.D1 v3(192,146.9) ; C311.2 v1(57.41,97.26) ; U1.AM26 v1(97.1,119.36) ; U1.AU5 v3(92.1,141.36) ; U1.F16 v1(124.1,130.36) ; U1.AC23 v1(106.1,122.36) ; U1.V1 v3(112.1,145.36) ; U1.V2 v3(112.1,144.36) ; U1.F1 v3(124.1,145.36) ; U1.AK33 v3(99.1,112.36) ; U1.AF3 v3(103.1,143.36) ; U1.T16 v1(114.1,130.36) ; C754.2 v2(157.96,83.76) ; U1.Y22 v1(109.1,123.36) ; U1.AW32 v1(90.1,113.36) ; U1.AH37 v3(101.1,108.36) ; P1.A1 v3(192,43.74) ; U1.AE19 v1(104.1,127.36) ; P1.A14 v1(186.91,48.14) ; U1.AG31 v1(102.1,114.36) ; U1.R36 v3(115.1,109.36) ; U1.AL7 v3(98.1,139.36) ; U1.G4 v3(123.1,142.36) ; C849.2 184.92,218.11 C850.2 ; U1.AC29 v1(106.1,116.36) ; U11.F1 v3(74.13,116.4) ; v1(63.31,43.07) J9.4 ; v1(60.91,43.07) J9.1 ; U1.U29 v1(113.1,116.36) ; U9.E9 v3(74.93,97.26) ; U1.AK22 v1(100.1,124.36) ; U1.AD34 v3(105.1,111.36) ; U1.AJ8 v1(100.1,138.36) ; P1.C11 v1(186.91,79.04) ; U1.AA21 v1(108.1,124.36) ; U1.AU4 v3(92.1,142.36) ; U1.Y30 v1(109.1,115.36) ; U1.AC4 v3(106.1,142.36) ; U1.AR3 v3(94.1,143.36) ; U1.V24 v1(112.1,121.36) ; U10.A2 v3(78.13,150.62) ; U1.H34 v3(122.1,111.36) ; U1.H20 v1(122.1,126.36) ; U1.AL19 v1(98.1,127.36) ; P2.D17 v1(186.91,148.9) ; U1.W21 v1(111.1,124.36) ; U1.E36 v3(125.1,109.36) ; U1.H6 v3(122.1,140.36) ; U1.E6 v3(125.1,140.36) ; U1.AF6 v3(103.1,140.36)
  TOP w0.381: U17.D8 v3(143.77,103.66) ; v2(58.69,198.85) 58.76,198.91 C533.1 ; U8.K1 v3(70.13,140.28) ; 74.66,230.2 J33.5 ; J33.5 73.28,231.58 ; J33.5 74.66,232.97 ; J33.5 76.05,231.58 ; U14.D8 v3(142.97,139.48) ; Q11.2 161.99,205.29 v2(161.44,204.74) R599.1 ; 123.94,235.31 J34.4 ; J34.4 122.55,236.69 ; J34.4 125.32,236.69 ; J34.4 123.94,238.07 ; 172.85,125.69 C460.2 ; C460.2 173.86,125.69 ; C460.2 v2(173.35,126.75) ; R392.1 30.21,145.67 ; R392.1 29.7,145.16 ; R392.1 30.21,144.65 ; U8.K9 v3(70.13,133.08) ; C583.1 99.53,198.91 v2(99.46,198.85) ; 116.86,236.69 J32.3 ; J32.3 118.25,238.07 ; J32.3 118.25,235.31 ; J32.3 119.63,236.69 ; U2.4 v1(101.73,85.55) ; U10.N1 v3(67.73,152.22) ; U16.K1 v3(148.56,145.01) ; 160.52,101.12 C411.2 160.52,100.1 ; U13.T1 v3(153.36,121.14) ; 160.52,107.98 C412.2 160.52,106.96 ; U9.G8 72.93,98.46 v3(73.33,98.06) ; U13.D2 v3(143.77,121.94) ; R475.1 R479.1 R480.1 v2(62.12,128.42) ; U8.D2 v3(75.73,139.48) ; v1(84.95,94.88) 84.7,94.63 arc(84.57,94.43) 84.52,94.19 R41.2 ; 57.66,111.45 C324.2 57.13,111.99 ; U14.C9 v3(142.17,140.28) ; 114.81,175.97 C762.2 114.28,176.5 ; 68.97,235.31 J31.3 ; J31.3 68.97,238.07 ; J31.3 67.59,236.69 ; J31.3 70.36,236.69 ; v2(108.58,190.88) 108.81,191.11 C589.2 ; v1(92.96,100.08) 92.84,99.95 R48.1 ; U11.D2 v3(75.73,114.8) ; v2(135.76,190.88) 135.99,191.11 C609.2 ; U9.H1 v3(72.53,104.46) ; 62.48,231.58 J31.5 ; J31.5 63.87,232.97 ; J31.5 65.25,231.58 ; J31.5 63.87,230.2 ; Q1.2 v2(54.48,158.44) ; Q4.2 v2(54.48,166.18) ; v2(113.05,198.85) 113.12,198.91 C581.1 ; 58.05,97.77 C311.2 58.05,96.75 ; U8.G8 v3(73.33,134.68) ; v3(146.17,140.28) 146.17,140.28 U14.H9 ; 56.85,114.68 C315.1 57.38,114.14 ; J30.5 100.69,231.58 ; J30.5 97.92,231.58 ; J30.5 99.3,230.2 ; J30.5 99.3,232.97 ; U13.G8 v3(145.37,126.74) ; U8.H1 v3(72.53,140.28) ; 159.23,113.38 C409.1 158.7,113.91 ; U16.A8 v3(140.56,150.62) ; J33.4 74.66,238.07 ; J33.4 76.05,236.69 ; J33.4 73.28,236.69 ; J33.4 74.66,235.31 ; 187.9,19.72 C633.2 187.36,19.21 ; U13.E3 v3(143.77,123.54) ; R44.1 96.01,99.97 v1(95.89,100.1) ; 41.47,86.11 41.12,86.11 v2(40.54,85.52) 40.54,84.8 R337.1 ; U11.A8 v3(78.13,110.8) ; R35.2 v2(159.64,23.5) ; U15.A8 v3(140.56,114.8) ; J33.3 81.15,236.69 ; J33.3 79.77,235.31 ; J33.3 79.77,238.07 ; J33.3 78.38,236.69 ; U17.E3 v3(143.77,99.66) ; R317.2 195.8,20.99 195.42,21.37 v3(194.84,21.37) ; C42.2 v2(82.57,95.12) ; U7.G8 v3(73.33,122.74) ; U15.N1 v3(150.96,109.2) ; U7.A8 v3(78.13,122.74) ; U17.D2 v3(143.77,98.86) ; v2(54.23,190.88) 54.46,191.11 C540.2 ; v2(95,190.88) 95.22,191.11 C563.2 ; 79.77,230.2 J33.2 ; J33.2 78.38,231.58 ; J33.2 79.77,232.97 ; J33.2 81.15,231.58 ; U10.C9 v3(76.53,145.01) ; U8.M9 v3(68.53,133.08) ; C541.1 v2(52.07,191.11) ; U7.H9 v3(72.53,121.14) ; v2(154.18,61.21) 154.16,61.23 R374.1 153.16,62.05 v2(153.06,62.16) ; U14.K1 v3(148.56,133.08) ; 160.52,102.39 C413.2 160.52,103.4 ; U17.H9 v3(146.16,104.46) ; J31.2 68.97,232.97 ; J31.2 67.59,231.58 ; J31.2 70.36,231.58 ; J31.2 68.97,230.2 ; U7.D2 v3(75.73,127.54) ; U15.M9 v3(150.16,116.4) ; J30.2 104.41,232.97 ; J30.2 104.41,230.2 ; J30.2 105.79,231.58 ; J30.2 103.02,231.58 ; U9.E3 v3(74.93,102.86) ; C557.1 85.94,198.91 v2(85.87,198.85) ; v2(122.17,190.88) 122.4,191.11 C585.2 ; C587.1 v2(106.43,191.11) ; U14.N1 v3(150.96,133.08) ; U10.H1 v3(72.53,152.22) ; 93.61,235.31 J29.3 ; J29.3 95,236.69 ; J29.3 93.61,238.07 ; J29.3 92.23,236.69 ; 29.82,117.35 R355.1 ; R355.1 29.32,117.86 ; R355.1 29.82,118.36 ; U13.N1 v3(150.96,121.14) ; U7.D8 v3(75.73,122.74) ; C784.1 v2(131.06,227.33) ; 122.55,231.58 J34.5 ; J34.5 123.94,230.2 ; J34.5 125.32,231.58 ; J34.5 123.94,232.97 ; U7.T1 v3(65.33,128.34) ; C610.2 149.58,191.11 v2(149.35,190.88) ; v1(193.32,21.49) R316.2 192.81,20.42 v1(193.17,20.07) ; U11.E3 v3(74.93,114.8) ; U1.L32 v1(119.1,114.36) U1.L31 ; U14.M9 v3(150.16,140.28) ; U17.M9 v3(150.16,104.46) ; U16.N1 v3(150.96,145.01) ; U9.M9 v3(68.53,97.26) ; 113.14,235.31 J32.4 ; J32.4 114.53,236.69 ; J32.4 111.76,236.69 ; J32.4 113.14,238.07 ; C753.2 40.58,187.09 arc(40.61,187.25) 40.7,187.38 40.76,187.44 arc(40.84,187.57) 40.87,187.72 R417.1 v2(40.13,187.96) ; J34.3 130.43,236.69 ; J34.3 127.66,236.69 ; J34.3 129.04,238.07 ; J34.3 129.04,235.31 ; U15.K1 v3(148.56,109.2) ; U1.R9 v1(115.1,137.36) ; J29.2 95,231.58 ; J29.2 92.23,231.58 ; J29.2 93.61,232.97 ; J29.2 93.61,230.2 ; 28.3,87.38 R365.1 ; R365.1 27.79,87.88 ; R365.1 28.3,88.39 ; C560.1 v2(92.84,191.11) ; U14.A8 v3(141.36,139.48) ; v1(119.1,113.36) 119.1,113.36 U1.K32 ; C858.2 v1(60.07,137.54) ; 109.83,178.42 109.2,179.04 C851.2 ; U10.M9 v3(68.53,145.01) ; 103.05,58.7 U63.21 ; C536.1 v2(65.66,191.11) ; C871.2 v2(52.73,150.5) ; 160.52,95.53 C403.2 160.52,96.55 ; U8.E3 v3(74.93,137.88) ; U9.T1 v3(65.33,104.46) ; C613.1 v2(133.6,191.11) ; v2(166.75,224.03) 166.93,224.21 C835.2 ; R343.1 54.59,89.41 ; R343.1 54.59,88.39 ; R343.1 54.08,88.9 ; C825.2 20.14,202.36 v2(20.19,202.31) ; U6.6 v1(97.79,86.87) ; C322.2 61.23,112.01 ; U9.E8 v3(74.93,98.86) ; U15.D2 v3(142.97,110) ; U13.H9 v3(146.16,128.34) ; U16.H9 v3(146.16,152.22) ; U17.K9 v3(148.56,104.46) ; U1.AK7 v1(99.1,138.36) ; U16.G8 v3(145.37,150.62) ; J4.2 v1(109.86,78.23) ; U15.K9 v3(148.56,116.4) ; v2(163.6,115.93) 163.77,116.1 arc(163.86,116.23) 163.89,116.39 C421.2 ; U10.T1 v3(65.33,152.22) ; U13.D8 v3(142.97,127.54) ; U15.E3 v3(144.57,110.8) ; U7.K1 v3(70.13,128.34) ; J4.1 v1(109.86,79.5) ; C538.2 68.05,191.11 v2(67.82,190.88) ; U15.H9 v3(146.16,116.4) ; R111.1 55.83,114.65 ; v2(187.43,224.08) 187.55,224.21 C847.2 ; 166.81,65.62 R380.2 167.32,66.12 ; J31.4 65.25,236.69 ; J31.4 63.87,238.07 ; J31.4 62.48,236.69 ; J31.4 63.87,235.31 ; J32.5 113.14,232.97 ; J32.5 113.14,230.2 ; J32.5 111.76,231.58 ; J32.5 114.53,231.58 ; C868.2 60.07,156.59 v2(59.94,156.72) ; C40.2 v2(80.64,90.68) ; R155.1 157.68,113.89 ; C559.1 72.35,198.91 v2(72.28,198.85) ; v2(20.32,181.61) 20.14,181.79 C810.2 ; R595.1 v2(12.95,167) ; C312.2 58.05,95.48 ; C312.2 58.05,94.46 ; C312.2 57.52,94.97 ; C41.2 v2(83.57,93.22) ; C605.1 140.29,198.91 v2(140.23,198.85) ; 103.02,236.69 J30.3 ; J30.3 105.79,236.69 ; J30.3 104.41,235.31 ; J30.3 104.41,238.07 ; U8.T1 v3(65.33,140.28) ; U7.M9 v3(68.53,121.14) ; U8.C9 v3(76.53,133.08) ; 87.12,231.58 J29.5 ; J29.5 89.89,231.58 ; J29.5 88.51,230.2 ; J29.5 88.51,232.97 ; U16.D2 v3(142.97,145.82) ; C860.2 v2(52.73,131.32) ; U1.J33 v3(121.1,112.36) ; U17.N1 v3(150.96,97.26) ; 29.32,174.88 R404.1 ; R404.1 29.82,175.39 ; R404.1 29.82,174.37 ; C850.2 v2(184.89,217.22) ; U10.K9 v3(70.13,145.01) ; U11.M9 v3(68.53,109.2) ; 58.05,105.89 C310.2 58.05,106.91 ; C872.2 v2(52.73,149.46) ; U13.K1 v3(148.56,121.14) ; U10.D2 v3(75.73,150.62) ; U1.K33 v3(120.1,112.36) ; 160.52,105.69 C402.2 160.52,104.67 ; 58.05,101.32 C319.2 58.05,102.34 ; U6.7 v1(97.79,88.14) ; U17.G8 v3(145.37,102.86) ; U1.D22 v1(125.1,124.36) ; U1.N8 v1(117.1,138.36) U1.M8 ; 159.52,110.69 C418.2 158.98,111.23 ; U9.K1 v3(70.13,104.46) ; U15.T1 v3(153.36,109.2) ; U8.A8 v3(78.13,134.68) ; U14.G8 v3(145.37,138.68) ; U8.D8 v3(75.73,133.88) ; C638.2 187.35,33.05 v2(187.61,33.3) ; U7.C9 v3(76.53,121.14) ; U7.E3 v3(74.93,126.74) ; C627.2 v2(180.94,32.26) ; U15.H1 v3(146.16,109.2) ; 116.86,231.58 J32.2 ; J32.2 118.25,230.2 ; J32.2 119.63,231.58 ; J32.2 118.25,232.97 ; C626.1 v2(180.94,27.94) ; 114.81,171.32 C764.2 114.81,170.26 ; U10.K1 v3(70.13,152.22) ; 88.51,235.31 J29.4 ; J29.4 88.51,238.07 ; J29.4 89.89,236.69 ; J29.4 87.12,236.69 ; 129.04,230.2 J34.2 ; J34.2 130.43,231.58 ; J34.2 129.04,232.97 ; J34.2 127.66,231.58 ; U16.T1 v3(153.36,145.01) ; C7.2 v2(43.01,13.97) ; U11.K1 v3(70.13,116.4) ; U1.AL33 v3(99.1,112.36) ; U14.E8 v3(143.77,139.48) ; U14.E3 v3(144.57,134.68) ; Q2.2 v2(54.48,162.25) ; U6.4 v1(95.89,85.6) ; U17.A8 v3(140.56,102.86) ; J4.3 v1(109.86,76.96) ; v2(126.64,198.85) 126.7,198.91 C607.1 ; U7.N1 v3(67.73,128.34) ; R58.1 v2(52.96,162.79) ; U9.N1 v3(67.73,104.46) ; U9.C9 v3(76.53,97.26) ; C839.2 v2(163.8,217.22) ; U10.H9 v3(72.53,145.01) ; U13.C9 v3(142.17,128.34) ; 58.05,100.05 C320.2 58.05,99.03 ; U11.N1 v3(67.73,116.4) ; C588.1 v2(120.02,191.11) ; U6.5 v1(97.79,85.6) ; C817.2 v2(27.13,178.54) ; U7.H1 v3(72.53,128.34) ; U1.W10 v1(111.1,135.36) ; U11.G8 v3(73.33,110.8) ; U10.D8 v3(74.93,146.62) ; U9.K9 v3(70.13,97.26) ; U10.A8 v3(78.13,146.62) ; X1.3 104.74,175.1 v1(104.11,174.47) 103.39,174.47 103.01,174.09 C857.1 ; U13.K9 v3(148.56,128.34) ; v2(81.41,190.88) 81.64,191.11 C564.2 ; U13.M9 v3(150.16,128.34) ; U9.H9 v3(72.53,97.26) ; U16.M9 v3(150.16,152.22) ; U14.T1 v3(153.36,133.08) ; Q3.2 v2(54.48,169.99) ; U15.G8 v3(145.37,114.8) ; C407.1 v2(159.14,117.58) ; C327.2 62.04,117.22 arc(62.07,117.04) 62.17,116.9 v2(62.36,116.71) ; R40.2 87.69,94.19 arc(87.65,94.43) 87.51,94.63 v1(87.26,94.88) ; U11.K9 v3(70.13,109.2) ; U11.H1 v3(72.53,116.4) ; v2(62.1,147.96) 62.12,147.93 R485.1 R484.1 R482.1 ; U7.K9 v3(70.13,121.14) ; U17.C9 v3(142.17,104.46) ; U13.A8 v3(140.56,126.74) ; U10.G8 v3(73.33,146.62) ; 160.52,97.81 C414.2 160.52,98.83 ; U16.E3 v3(143.77,147.42) ; U13.H1 v3(146.16,121.14) ; U16.H1 v3(146.16,145.01) ; U11.T1 v3(65.33,116.4) ; C565.1 v2(79.25,191.11) ; U8.N1 v3(67.73,140.28) ; U16.C9 v3(142.17,152.22) ; C535.1 45.17,198.91 v2(45.1,198.85) ; U15.C9 v3(142.17,116.4) ; U14.K9 v3(148.56,140.28) ; U1.AL29 v1(99.1,116.36) ; C313.1 v2(57.29,118.34) ; R59.1 v2(52.96,170.54) ; U8.H9 v3(72.53,133.08) ; J30.4 100.69,236.69 ; J30.4 97.92,236.69 ; J30.4 99.3,235.31 ; J30.4 99.3,238.07 ; U11.H9 v3(72.53,109.2) ; U11.C9 v3(76.53,109.2) ; U17.T1 v3(153.36,97.26) ; C862.2 v2(52.73,130.28) ; U17.H1 v3(146.16,97.26) ; U1.AE9 v1(104.1,137.36) ; 58.05,104.62 C316.2 58.05,103.61 ; U9.D2 v3(75.73,103.66) ; C828.2 v2(27.13,199.11) ; U16.K9 v3(148.56,152.22) ; U7.E8 v3(74.93,121.94) ; U9.A8 v3(78.13,98.86) ; U17.K1 v3(148.56,97.26) ; C612.1 v2(147.19,191.11) ; U14.D2 v3(143.77,134.68) ; U10.E3 v3(74.93,149.82)